# Altium PCB 水下电机驱动.PcbDoc
Units mil, origin at the board's own origin, x right, y up, seen from the top; angles counter-clockwise.
Board outline 3301.06 x 1726.25 mil, 2 copper layers (Top Layer, Bottom Layer); 60 components, 46 nets, 215 pads, 328 vias.
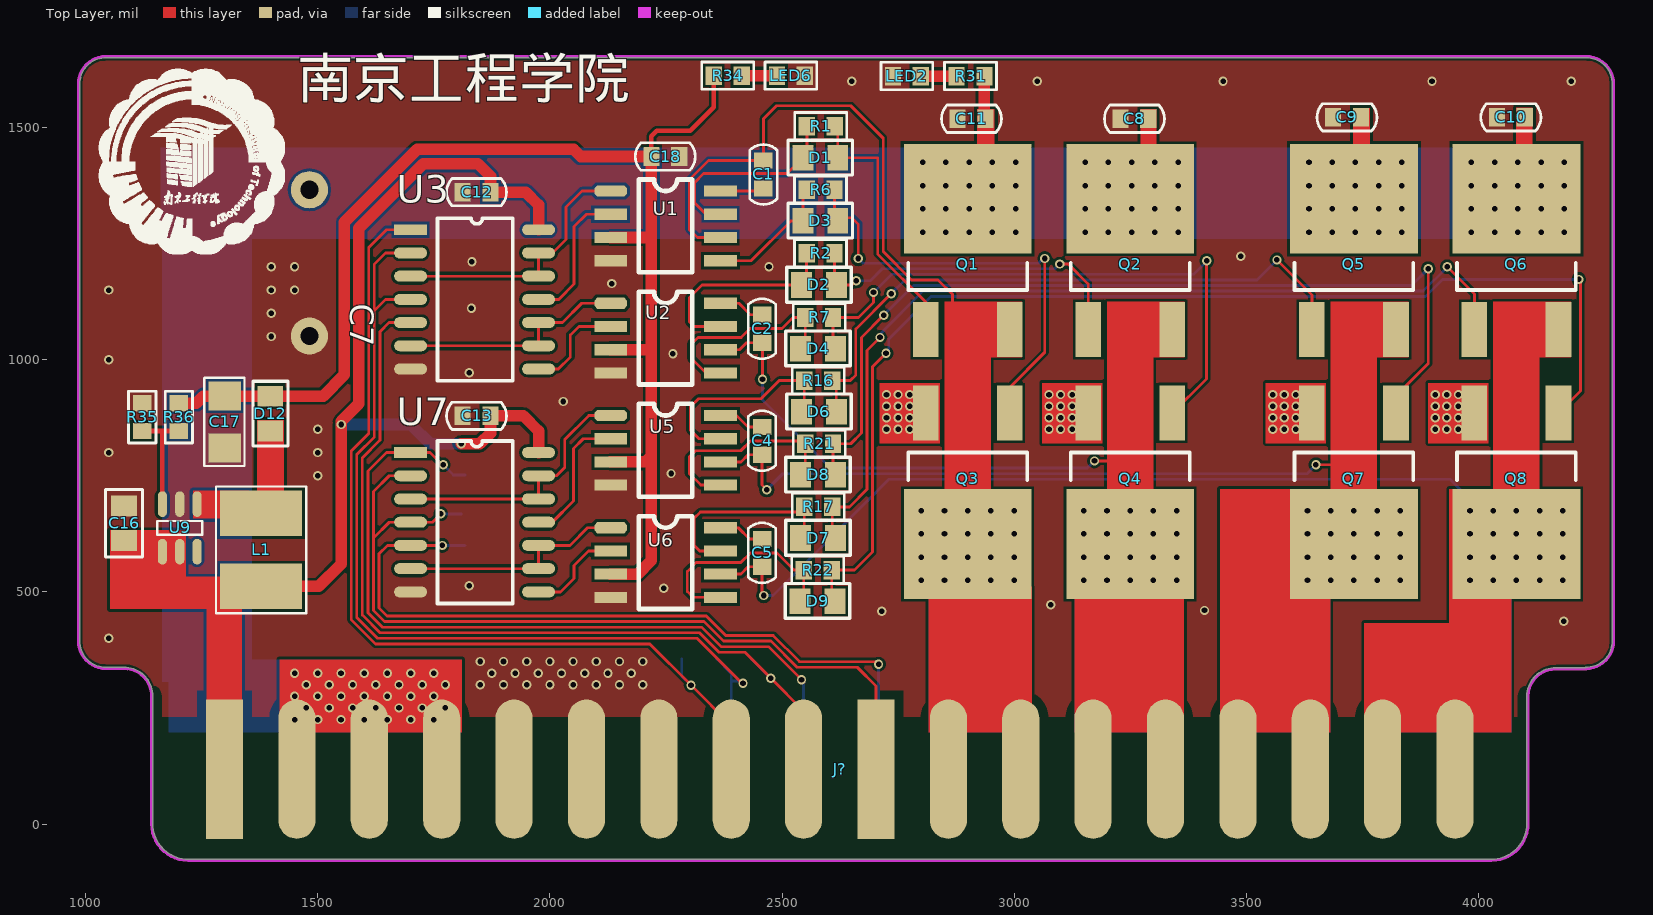
[diagram p0: Top Layer view]
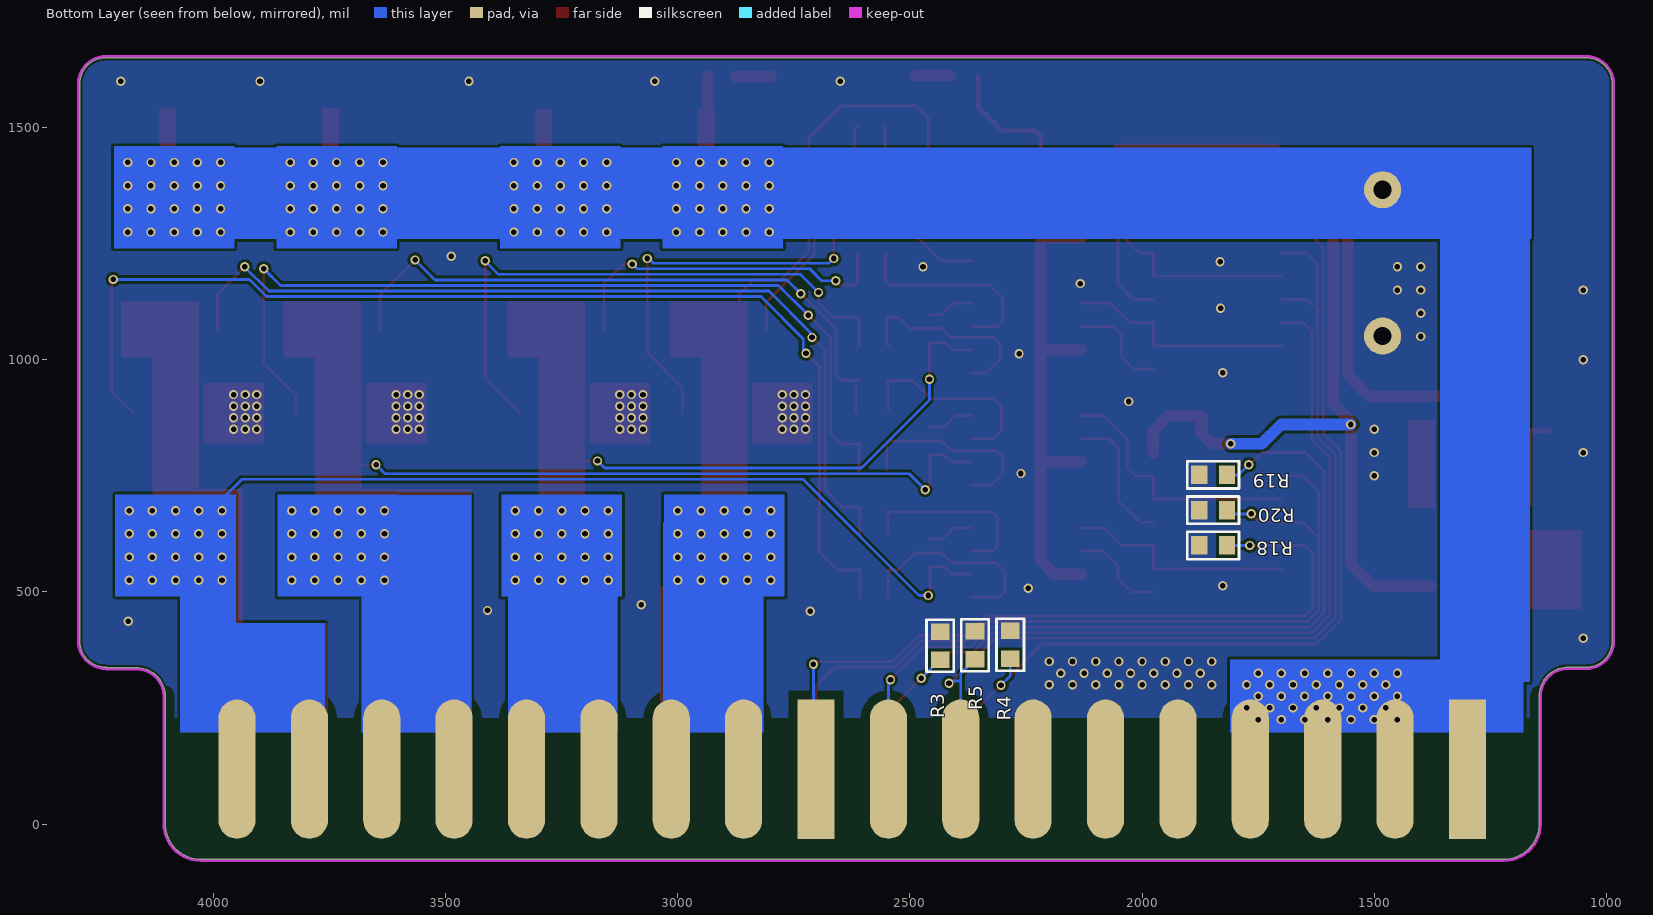
[diagram p1: Bottom Layer view, seen from below]

## Layer stack, top to bottom
Top Layer: signal copper 1.4
Dielectric: dielectric 12.6, FR-4, Dk 4.8
Bottom Layer: signal copper 1.4

## Board outline
1082.68,337.66 cw(c1082.68,275.59) 1144.75,275.59 cw(c1082.68,275.59) 1144.75,275.59 1144.75,0 ccw(c1220.47,0) 1220.47,-75.73 4028.35,-75.73 ccw(c4028.35,0) 4104.07,0 4104.07,275.59 cw(c4107.09,275.59) 4104.07,275.64 cw(c4166.13,274.53) 4166.13,336.6 cw(c4166.13,274.53) 4166.14,336.6 4229.98,336.6 cw(c4232.28,334.65) 4232.28,337.66 ccw(c4232.28,393.7) 4288.32,393.7 4288.32,1594.49 ccw(c4291.34,1594.49) 4288.32,1594.46 4288.32,1594.49 ccw(c4232.28,1594.49) 4232.28,1650.53 1043.31,1650.53 ccw(c1043.31,1653.54) 1043.33,1650.53 1043.31,1650.53 ccw(c1043.31,1594.49) 987.27,1594.49 987.27,393.7 ccw(c984.25,393.7) 987.27,393.73 987.27,393.7 ccw(c1043.31,393.7) 1043.15,337.66 cw(c1043.3,334.65) 1043.3,337.66

## Design rules (kind name [scope] priority, off if disabled: settings)
Clearance Clearance_1 [InComponent('J?')] p1: gap=20
Clearance [All] p2: gap=6
PolygonConnect PolygonConnect_1 [InNet('24V')or ViaDiameter] p1: connectstyle=Direct reliefconductorwidth=10 reliefentries=4 polygonreliefangle="90 Angle" airgapwidth=10
PolygonConnect [All] p2: connectstyle=Direct reliefconductorwidth=10 reliefentries=4 polygonreliefangle="90 Angle" airgapwidth=10
RoutingVias [All] p1: holewidth=28 width=50 viastyle="Through Hole" minholewidth=12 minwidth=20 maxholewidth=28 maxwidth=50
SolderMaskExpansion [All] p1: expansion=4
Width [All] p1: maxlimit=500 minlimit=6 preferedwidth=6 minimp=50.000000 maximp=50.000000 favimp=50.000000
28 further rules are at their usual default settings.

## Classes and differential pairs
component class MOS管电机驱动电路: C1 C2 C4 C5 C7 C8 C9 C10 C11 C12 C13 D1 D2 D3 D4 D6 D7 D8 D9 J? LED2 LED6 Q1 Q2 Q3 Q4 Q5 Q6 Q7 Q8 R1 R2 R3 R4 R5 R6 R7 R16 R17 R18 R19 R20 R21 R22 R31 R34 U1 U2 U3 U5 U6 U7
component class SX1308升压电路: C16 C17 C18 D12 L1 R35 R36 U9

## Components (designator, comment, footprint, x,y, rotation, side; value= is the part's Value field where it differs from the comment)
C1 "104" C0603 2460,1369 r90 top
C2 "104" C0603 2457,1036.67 r90 top
C4 "104" C0603 2457,855.33 r270 top
C5 "104" C0603 2457,554 r90 top
C7 "Cap1" "CAP 2200uf" 1482,1366 r270 top
C8 "104" C0603 3289,1519 r180 top
C9 "104" C0603 3746.89,1522 r180 top
C10 "104" C0603 4099.89,1522 r180 top
C11 "104" C0603 2938,1519 r180 top
C12 "104" C0603 1872,1361 r180 top
C13 "104" C0603 1872,879 r180 top
C16 "10μ" C0805 1082.68,610.24 r90 top
C17 "47uF" R1206 1299.21,866.14 r90 top
C18 "104" c0603 2278.65,1437.69 r180 top
D1 "1N4148" R0805 2620,1435 r180 top
D2 "1N4148" R0805 2617,1161 r180 top
D3 "1N4148" R0805 2620,1299 r180 top
D4 "1N4148" R0805 2615,1024 r180 top
D6 "1N4148" R0805 2617,888 r180 top
D7 "1N4148" R0805 2615,616 r180 top
D8 "1N4148" R0805 2615,752 r180 top
D9 "1N4148" R0805 2614,480 r180 top
D12 "1N4007" R0805 1397.64,846.46 r90 top
J? "805-36P" 805-36P 1141.73,-78.74 r0 top locked
L1 "Inductor" CD43 1377.95,511.81 r180 top
LED2 "LED" r0603 2799,1611 r180 top
LED6 "LED" R0603 2489,1612 r0 top
Q1 "IRF3205" DPAK 2900,1150 r0 top
Q2 "IRF3205" DPAK 3250,1150 r0 top
Q3 "IRF3205" DPAK 2900,800 r180 top
Q4 "IRF3205" DPAK 3250,800 r180 top
Q5 "IRF3205" DPAK 3731.89,1150 r0 top
Q6 "IRF3205" DPAK 4081.89,1150 r0 top
Q7 "IRF3205" DPAK 3731.89,800 r180 top
Q8 "IRF3205" DPAK 4081.89,800 r180 top
R1 "Res2" R0603 2613.5,1503 r180 top
R2 "Res2" R0603 2553,1229 r0 top
R3 "Res2" R0603 2435,354 r90 bottom
R4 "Res2" R0603 2284,356 r90 bottom
R5 "Res2" R0603 2360,355 r90 bottom
R6 "Res2" R0603 2613,1366 r180 top
R7 "Res2" R0603 2550,1091 r0 top
R16 "Res2" R0603 2608,955 r180 top
R17 "Res2" R0603 2548,683 r0 top
R18 "Res2" R0603 1817,600 r0 bottom
R19 "Res2" R0603 1817,752 r0 bottom
R20 "Res2" R0603 1817,676 r0 bottom
R21 "Res2" R0603 2610,819 r180 top
R22 "Res2" R0603 2547,547 r0 top
R31 "Res2" R0603 2936,1611 r180 top
R34 "Res2" R0603 2353,1612 r0 top
R35 "Res2" R0603 1122.05,846.46 r90 top
R36 "Res2" R0603 1200.79,846.46 r90 top
U1 "L6385D" SOIC8 2131,1363 r0 top locked
U2 "L6385D" SOIC8 2131,1121.33 r0 top locked
U3 "74HC00" SOP14-700 1700,1280 r0 top
U5 "L6385D" SOIC8 2131,879.67 r0 top locked
U6 "L6385D" SOIC8 2131,638 r0 top locked
U7 "74HC00" SOP14-700 1700,800 r0 top
U9 "SX1308" SOT-26 1240.16,688.98 r270 top

## Footprints (in the part's own frame and the unit in brackets; to place one, negate y for a bottom-side part, rotate by r counter-clockwise, add the part's x,y. Pads: shape width x height; smd on the part's side, far side on the other; paste and mask are expansions set on the pad)
805-36P [mm]
  rect 2.032x7.62 smd: A1(4,5) A10(39.64,5)
  oval 2.032x7.62 smd: A2(7.96,5) A3(11.92,5) A4(15.88,5) A5(19.84,5) A6(23.8,5) A7(27.76,5) A8(31.72,5) A9(35.68,5) A11(43.6,5) A12(47.56,5) A13(51.52,5) A14(55.48,5) A15(59.44,5) A16(63.4,5) A17(67.36,5) A18(71.32,5)
  rect 2.032x7.62 smd far side: B1(4,5) B10(39.64,5)
  oval 2.032x7.62 smd far side: B2(7.96,5) B3(11.92,5) B4(15.88,5) B5(19.84,5) B6(23.8,5) B7(27.76,5) B8(31.72,5) B9(35.68,5) B11(43.6,5) B12(47.56,5) B13(51.52,5) B14(55.48,5) B15(59.44,5) B16(63.4,5) B17(67.36,5) B18(71.32,5)
  Keep-Out Layer lines w0.152: 0,9 0,2 ccw(c2,2) 2,0 73.32,0 ccw(c73.32,2) 75.32,2 75.32,9
C0603 [mil]
  rect 35x40 smd mask+2: 1(0,0) 2(60,0)
  silkscreen extent -35,-30 95,30
c0603 [mil]
  rect 35x40 smd mask+2: 1(0,0) 2(60,0)
  silkscreen extent -35,-30 95,30
C0805 [mil]
  rect 45x55 smd: 1(0,0) 2(75,0)
  silkscreen extent -35,-40 110,40, body extent -22,-27 96,28, height 37
"CAP 2200uf" [mil]
  round 80 hole 39.37: 1(0,0) 2(314.96,0)
CD43 [mm]
  rect 4.5x2.5 smd: 1(0,0) 2(0,-4)
  silkscreen extent -2.46,-5.46 2.46,1.47
DPAK [mm]
  rect 1.4x3 smd: 1(-2.3,-2.159) 3(2.3,-2.159)
  rect 7x6 smd: 2(0,5)
  silkscreen extent -3.25,0 3.25,1.5
r0603 [mil]
  rect 35x40 smd mask+2: 1(0,0) 2(60,0)
  silkscreen extent -26,-30 86,30
R0603 [mil]
  rect 35x40 smd mask+2: 1(0,0) 2(60,0)
  silkscreen extent -26,-30 86,30
R0805 [mil]
  rect 45x55 smd: 1(0,0) 2(75,0)
  silkscreen extent -32,-38 107,37, body extent -3,-24 75,26, height 22
R1206 [mil] "R1206"
  rect 62x70 smd: 1(-56,0) 2(56,0)
  silkscreen extent -95,-43 95,44
SOIC8 [mm]
  oct 1.8x0.61 smd: 1(0,0.006)
  rect 1.8x0.61 smd: 2(0,-1.264) 3(0,-2.534) 4(0,-3.804) 5(6,-3.804) 6(6,-2.534) 7(6,-1.264) 8(6,0.006)
  silkscreen extent 1.53,-4.44 4.47,0.64
SOP14-700 [mm]
  rect 1.8x0.6 smd: 1(0,0)
  oval 1.8x0.6 smd: 2(0,-1.27) 3(0,-2.54) 4(0,-3.81) 5(0,-5.08) 6(0,-6.35) 7(0,-7.62) 8(7,-7.62) 9(7,-6.35) 10(7,-5.08) 11(7,-3.81) 12(7,-2.54) 13(7,-1.27) 14(7,0)
  silkscreen extent 1.47,-8.25 5.59,0.64
SOT-26 [mm]
  oval 1.4x0.5 smd: 1(0,0) 2(0,-0.95) 3(0,-1.9) 4(2.6,-1.9) 5(2.6,-0.95) 6(2.6,0)
  round 0.2 on Top Overlay: 9(1.125,0.075)
  silkscreen extent 0.92,-2.17 1.68,0.28

## Part data
C1 C2 C4 C5 C8 C9 C10 C11 C12 C13: library part CAP, "Capacitor"
C7: "Capacitor"
C16 C17 C18: library part CAP（0805）, "Capacitor"
D1 D2 D3 D4 D6 D7 D8 D9: library part 1N4007, "1 Amp General Purpose Rectifier"
D12: "1 Amp General Purpose Rectifier"
LED2 LED6: "Typical BLUE SiC LED"
Q1 Q2 Q3 Q4 Q5 Q6 Q7 Q8: "HEXFET Power MOSFET"
R1 R2 R3 R4 R5 R6 R7 R16 R17 R18 R19 R20 R21 R22 R31 R34 R35 R36: "Resistor"

## Via types
v1: diameter 20, hole 12, Top Layer to Bottom Layer, 328 vias

## Nets (pads, with @x,y where several pads share a name; then routed paths per layer and width w, separated by ;. In a path a pad name is that pad's centre, name@x,y a point inside that pad or via, vN(x,y) a via of type N, cw(c..) or ccw(c..) an arc to the next point about the centre after c; other vN are vias at no path point)
12V: C17.2 C18.2 D12.2 R34.1 R36.2 U1.3 U2.3 U5.3 U6.3 | length 2955.2
  Top Layer w10: C18.2 2218.65,1481.65 2230,1493 2302,1493 2353,1544 R34.1
  Top Layer w25: R36.2 1238.46,906.46 1253.46,921.46 D12.2 1511.46,921.46 1557.36,967.36 1557.36,1296.2 1714.16,1453 2051,1453 2066.31,1437.69 C18.2 2218.65,1262 ; U6.3 2189.22,538.22 2218.65,567.65 2218.65,792 ; U5.3 2206.54,779.89 2218.65,792 ; U2.3 2215.1,1021.55 2218.65,1018 ; U1.3 2217.43,1263.22 2218.65,1262 ; 2218.65,792 2218.65,1018 ; 2218.65,1018 2218.65,1262
24V: C7.1 C8.1 C9.1 C10.1 C11.1 J?.A2 J?.A3 J?.A4 J?.B1 J?.B2 J?.B3 J?.B4 Q1.2 Q2.2 Q5.2 Q6.2 R31.1 | length 146.6
  Top Layer w6: Q1.2 Q1.2@2938,1384.85
  Top Layer w25: R31.1 2936,1521 C11.1
  other v1: 1450,225 1500,225 1550,225 1600,225 1650,225 1700,225 1750,225 1475,250 1525,250 1575,250 1625,250 1675,250 1725,250 1775,250 1450,275 1500,275 1550,275 1600,275 1650,275 1700,275 1750,275 1475,300 1525,300 1575,300 1625,300 1675,300 1725,300 1775,300 1450,325 1500,325 1550,325 1600,325 1650,325 1700,325 1750,325 2803.11,1275 2853.11,1275 2903.11,1275 2953.11,1275 3003.11,1275 3153.11,1275 3203.11,1275 3253.11,1275 3303.11,1275 3353.11,1275 3635,1275 3685,1275 3735,1275 3785,1275 3835,1275 3985,1275 4035,1275 4085,1275 4135,1275 4185,1275 2803.11,1325 2853.11,1325 2903.11,1325 2953.11,1325 3003.11,1325 3153.11,1325 3203.11,1325 3253.11,1325 3303.11,1325 3353.11,1325 3635,1325 3685,1325 3735,1325 3785,1325 3835,1325 3985,1325 4035,1325 4085,1325 4135,1325 4185,1325 2803.11,1375 2853.11,1375 2903.11,1375 2953.11,1375 3003.11,1375 3153.11,1375 3203.11,1375 3253.11,1375 3303.11,1375 3353.11,1375 3635,1375 3685,1375 3735,1375 3785,1375 3835,1375 3985,1375 4035,1375 4085,1375 4135,1375 4185,1375 2803.11,1425 2853.11,1425 2903.11,1425 2953.11,1425 3003.11,1425 3153.11,1425 3203.11,1425 3253.11,1425 3303.11,1425 3353.11,1425 3635,1425 3685,1425 3735,1425 3785,1425 3835,1425 3985,1425 4035,1425 4085,1425 4135,1425 4185,1425
GND: C7.2 C8.2 C9.2 C10.2 C11.2 C12.2 C13.2 C16.2 C17.1 C18.1 J?.A5 J?.A6 J?.A7 J?.B5 J?.B6 J?.B7 LED2.2 LED6.2 Q3.3 Q4.3 Q7.3 Q8.3 R3.2 R4.2 R5.2 R18.2 R19.2 R20.2 R35.2 U1.4 U2.4 U3.7 U5.4 U6.4 U7.7 U9.2
  other v1: 1850,300 1900,300 1950,300 2000,300 2050,300 2100,300 2150,300 2200,300 1875,325 1925,325 1975,325 2025,325 2075,325 2125,325 2175,325 1850,350 1900,350 1950,350 2000,350 2050,350 2100,350 2150,350 2200,350 1050,400 4184,437 2715,458 3410,460 3079,472 2245,508 1826,513 1500,750 2261,755 1050,800 1500,800 1500,850 2725,850 2750,850 2775,850 3075,850 3100,850 3125,850 3556.89,850 3581.89,850 3606.89,850 3906.89,850 3931.89,850 3956.89,850 2725,875 2750,875 2775,875 3075,875 3100,875 3125,875 3556.89,875 3581.89,875 3606.89,875 3906.89,875 3931.89,875 3956.89,875 2725,900 2750,900 2775,900 3075,900 3100,900 3125,900 3556.89,900 3581.89,900 3606.89,900 3906.89,900 3931.89,900 3956.89,900 2029,910 2725,925 2750,925 2775,925 3075,925 3100,925 3125,925 3556.89,925 3581.89,925 3606.89,925 3906.89,925 3931.89,925 3956.89,925 1826,972 1050,1000 2265,1013 1400,1050 1400,1100 1831,1111 1050,1150 1400,1150 1450,1150 2133,1164 1400,1200 1450,1200 2472,1200 1832,1211 3488,1223 2650,1600 3050,1600 3450,1600 3900,1600 4200,1600
IN1A: J?.A8 R4.1 U3.1 | length 1995.8
  Top Layer w6: U3.1 1648,1280 1609.86,1241.86 1609.86,840.86 1572,803 1572,440.12 1624.12,388 2215,388 v1(2304,299) 2390.55,212.45 J?.A8
  Bottom Layer w6: R4.1 2284,319 v1(2304,299)
IN1B: J?.A9 R3.1 U3.5 | length 1919.2
  Top Layer w6: U3.5 1653.54,1080 1633.86,1060.31 1633.86,826.77 1596,788.91 1596,450.06 1634.06,412 2321.97,412 2363.97,370 2420,370 v1(2476,314) 2546.46,243.54 J?.A9
  Bottom Layer w6: R3.1 2475,314 v1(2476,314)
IN2A: J?.B9 R19.1 U7.1 | length 1740.1
  Top Layer w6: v1(1770,774) 1768,774 1742,800 U7.1 1648,800 1608,760 1608,455.03 1639.03,424 2326.94,424 2368.94,382 2471,382 v1(2542,311)
  Bottom Layer w6: v1(1770,774) 1792,752 R19.1 ; v1(2542,311) 2548,305 2546.46,303.46 J?.B9
IN2B: J?.B10 R18.1 U7.5 | length 1659.7
  Top Layer w6: v1(1768,600) U7.5 1650,600 1632,582 1632,464.97 1648.97,448 2336.88,448 2378.88,406 2480.94,406 2537.3,349.64 2707.64,349.64 2708,350 v1(2708,344)
  Bottom Layer w6: v1(1768,600) R18.1 ; J?.B10@2708,123.75 v1(2708,344)
NetC1_1: C1.1 U1.8 | length 95.2
  Top Layer w6: U1.8 2454.22,1363.22 C1.1
NetC2_2: C2.2 U2.8 | length 100.1
  Top Layer w6: U2.8 2407.45,1121.55 2432.33,1096.67 C2.2
NetC4_1: C4.1 U5.8 | length 100
  Top Layer w6: U5.8 2402.11,879.89 2426.67,855.33 C4.1
NetC5_2: C5.2 U6.8 | length 99.8
  Top Layer w6: U6.8 2405.78,638.22 2430,614 C5.2
NetD1_1: D1.1 Q1.1 R1.1 | length 569.5
  Top Layer w6: R1.1 2620,1496.5 D1.1 2706,1435 2706,1228 2809.45,1124.55 Q1.1
NetD1_2: D1.2 R1.2 U1.7 | length 436
  Top Layer w6: U1.7 2336.78,1313.22 2312,1338 2312,1382 2331,1401 2511,1401 D1.2 2553.5,1443.5 R1.2
NetD2_1: D2.1 Q2.1 R2.2 | length 746.6
  Top Layer w6: R2.2 2613,1165 D2.1 2651,1161 v1(2660,1170) ; v1(3098,1206) 3116.45,1206 3159.45,1163 Q2.1
  Bottom Layer w6: v1(2660,1170) 2690,1170 2716,1196 3088,1196 v1(3098,1206)
NetD2_2: D2.2 R2.1 U2.7 | length 447.9
  Top Layer w6: U2.7 2310.45,1071.55 2301,1081 2301,1134 2328,1161 D2.2 2553,1172 R2.1
NetD3_1: D3.1 Q3.1 R6.1 | length 975.2
  Top Layer w6: R6.1 D3.1@2613,1306 ; D3.1 D3.1@2613,1306 ; v1(2664,1218) 2664,1292 2650,1306 D3.1@2613,1306 ; Q3.1 2990.55,940.55 3066,1016 v1(3066,1218)
  Bottom Layer w6: v1(2664,1218) 2674,1208 3053,1208 3063,1218 v1(3066,1218)
NetD3_2: D3.2 R6.2 U1.5 | length 283.6
  Top Layer w6: U1.5 2433.22,1213.22 2519,1299 D3.2 2545,1358 R6.2
NetD4_1: D4.1 Q4.1 R7.2 | length 1296.3
  Top Layer w6: D4.1 2610,1029 R7.2 2665,1091 2697,1123 v1(2697,1145) ; Q4.1 3414,958.45 3414,1212 v1(3415,1213)
  Bottom Layer w6: v1(2697,1145) 2736,1184 3386,1184 v1(3415,1213)
NetD4_2: D4.2 R7.1 U2.5 | length 446
  Top Layer w6: U2.5 2336.45,971.55 2305,1003 2305,1034 2319,1048 2412,1048 2431,1067 2500,1067 2524,1091 R7.1 2550,1034 D4.2
NetD6_1: D6.1 Q5.1 R16.1 | length 1362.9
  Top Layer w6: R16.1 2647,955 2659,967 2659,1066 v1(2735,1142) ; D6.1 R16.1@2617,946 ; v1(3566,1215) 3641.34,1139.66 Q5.1
  Bottom Layer w6: v1(2735,1142) 2765,1172 3523,1172 v1(3566,1215)
NetD6_2: D6.2 R16.2 U5.7 | length 460.4
  Top Layer w6: U5.7 2321.11,829.89 2303,848 2303,899 2320,916 2455,916 2494,955 R16.2 2548,894 D6.2
NetD7_1: D7.1 Q6.1 R17.2 | length 1937.6
  Top Layer w6: D7.1@2608,623 R17.2 2645,683 2683,721 2683,1020 v1(2711,1048) ; v1(3933,1200) 3991.34,1141.66 Q6.1
  Bottom Layer w6: v1(2711,1048) 2711,1055 2804,1148 3881,1148 v1(3933,1200)
NetD7_2: D7.2 R17.1 U6.7 | length 413.3
  Top Layer w6: U6.7 2322.78,588.22 2311,600 2311,659 2324,672 2546,672 2548,674 D7.2@2548,624
NetD8_1: D8.1 Q7.1 R21.1 | length 1960.6
  Top Layer w6: D8.1@2610,757 R21.1 2648,819 2671,842 2671,1048 v1(2719,1096) ; Q7.1 3822.44,922.44 3892,992 v1(3892,1196)
  Bottom Layer w6: v1(2719,1096) 2783,1160 3856,1160 v1(3892,1196)
NetD8_2: D8.2 R21.2 U5.5 | length 436.6
  Top Layer w6: U5.5 2325.11,729.89 2300,755 2300,790 2314,804 2411,804 2432,825 2544,825 R21.2 D8.2@2550,762
NetD9_1: D9.1 Q8.1 R22.2 | length 2486
  Top Layer w6: D9.1@2607,487 R22.2 2656,547 2695,586 2695,985 v1(2724,1014) ; Q8.1 4220,932.56 4220,1169 v1(4216,1173)
  Bottom Layer w6: v1(2724,1014) 2730,1020 2730,1045 2821,1136 3885.97,1136 3922.97,1173 v1(4216,1173)
NetD9_2: D9.2 R22.1 U6.5 | length 461.4
  Top Layer w6: U6.5 2308.78,488.22 2296,501 2296,544 2315,563 2411,563 2432,584 2489,584 2526,547 R22.1 D9.2@2547,488
NetD12_1: D12.1 L1.2 U9.1
NetLED2_1: LED2.1 R31.2 | length 77
  Top Layer w25: LED2.1 R31.2
NetLED6_1: LED6.1 R34.2 | length 76
  Top Layer w25: R34.2 LED6.1
NetR35_1: R35.1 R36.1 U9.3 | length 232.4
  Top Layer w10: R35.1 R36.1 ; U9.3 1165.35,842.65
NetU1_1: U1.1 U3.3 U3.12 U3.13 | length 577.2
  Top Layer w6: U3.3 U3.12 U3.13 2006,1230 2035,1259 2035,1329 2069.22,1363.22 U1.1
NetU1_2: U1.2 U3.11 | length 303.9
  Top Layer w6: U3.11 2019,1130 2052,1163 2052,1287 2078.22,1313.22 U1.2
NetU2_1: U2.1 U3.6 U3.9 U3.10 | length 498.2
  Top Layer w6: U3.6 U3.9 U3.10 2027,1080 2068.55,1121.55 U2.1
NetU2_2: U2.2 U3.8 | length 220.9
  Top Layer w6: U3.8 2018,980 2044,1006 2044,1053 2062.55,1071.55 U2.2
NetU5_1: U5.1 U7.3 U7.12 U7.13 | length 569.9
  Top Layer w6: U7.3 U7.12 U7.13 2014,750 2032,768 2032,828 2083.89,879.89 U5.1
NetU5_2: U5.2 U7.11 | length 296.1
  Top Layer w6: U7.11 2005,650 2051,696 2051,809 2071.89,829.89 U5.2
NetU6_1: U6.1 U7.6 U7.9 U7.10 | length 496.8
  Top Layer w6: U7.6 U7.9 U7.10 2043,600 2081.22,638.22 U6.1
NetU6_2: U6.2 U7.8 | length 208.4
  Top Layer w6: U7.8 2023,500 2052,529 2052,557 2083.22,588.22 U6.2
OUT1A: C1.2 J?.A11 J?.A12 J?.B11 J?.B12 Q1.3 Q3.2 U1.6 | length 1342.7
  Top Layer w6: U1.6 2317.78,1263.22 2300,1281 2300,1386.97 2342.03,1429 C1.2 2460,1519 2488,1547 2648,1547 2718,1477 2718,1232.97 2778.97,1172 2836,1172 2867,1141 2867,1124 2885,1106 2949.55,1106 Q1.3
  other v1: 2800,525 2850,525 2900,525 2950,525 3000,525 2800,575 2850,575 2900,575 2950,575 3000,575 2800,625 2850,625 2900,625 2950,625 3000,625 2800,675 2850,675 2900,675 2950,675 3000,675
OUT1B: C2.1 J?.A13 J?.A14 J?.B13 J?.B14 Q2.3 Q4.2 U2.6 | length 1231.7
  Top Layer w6: U2.6 2408.55,1021.55 2423.67,1036.67 C2.1 2458,1035.67 v1(2458,958) ; v1(3173,782) 3205,782 3250,737 v1(3250,675) v1(3250,625) Q4.2
  Bottom Layer w6: v1(2458,958) 2458,913 2604.48,766.52 3157.52,766.52 v1(3173,782)
  other v1: 3150,525 3200,525 3250,525 3300,525 3350,525 3150,575 3200,575 3250,575 3300,575 3350,575 3150,625 3200,625 3300,625 3350,625 3150,675 3200,675 3300,675 3350,675
OUT2A: C4.2 J?.A15 J?.A16 J?.B15 J?.B16 Q5.3 Q7.2 U5.6 | length 1615.7
  Top Layer w6: U5.6 2411.89,779.89 2427.33,795.33 C4.2 2457,730 v1(2467,720) ; v1(3650,774) 3701,774 3731.89,743.11 v1(3731.89,675) v1(3731.89,625) Q7.2
  Bottom Layer w6: v1(2467,720) 2501.52,754.52 3630.52,754.52 v1(3650,774)
  other v1: 3631.89,525 3681.89,525 3731.89,525 3781.89,525 3831.89,525 3631.89,575 3681.89,575 3731.89,575 3781.89,575 3831.89,575 3631.89,625 3681.89,625 3781.89,625 3831.89,625 3631.89,675 3681.89,675 3781.89,675 3831.89,675
OUT2B: C5.1 J?.A17 J?.A18 J?.B17 J?.B18 Q6.3 Q8.2 U6.6 | length 1827.1
  Top Layer w6: U6.6 2411.22,538.22 2427,554 C5.1 2457,495.76 v1(2460.63,492.13)
  Bottom Layer w6: v1(2460.63,492.13) 2480.31,492.13 2730.71,742.52 3939,742.52 3981.89,699.63 v1(3981.89,675)
  other v1: 3981.89,525 4031.89,525 4081.89,525 4131.89,525 4181.89,525 3981.89,575 4031.89,575 4081.89,575 4131.89,575 4181.89,575 3981.89,625 4031.89,625 4081.89,625 4131.89,625 4181.89,625 4031.89,675 4081.89,675 4131.89,675 4181.89,675
SD1: J?.B8 R5.1 U3.2 U3.4 | length 2120.1
  Top Layer w6: U3.4 1646,1130 1621.86,1105.86 ; U3.2 1646,1230 1621.86,1205.86 1621.86,1105.86 ; v1@2415,302 2317,400 1629.09,400 1584,445.09 1584,796 1621.86,833.86 1621.86,1105.86
  Bottom Layer w6: R5.1 2390.55,324.45 2390.55,308 ; J?.B8 2390.55,308 ; v1(2416,303) 2411,308 2390.55,308
SD2: J?.A10 R20.1 U7.2 U7.4 | length 1889.6
  Top Layer w6: U7.2 1654,750 1620,716 1620,616 ; v1(1765,668) 1747,650 U7.4 1654,650 1620,616 ; J?.A10 2702.36,297.28 2662,337.64 2532.33,337.64 2475.97,394 2373.91,394 2331.91,436 1644,436 1620,460 1620,616
  Bottom Layer w6: v1(1765,668) R20.1@1809,668
VCC: C12.1 C13.1 C16.1 J?.A1 L1.1 U3.14 U7.14 U9.4 U9.5 | length 2028.2
  Top Layer w25: L1.1 1502.19,511.81 1550.5,560.12 v1(1550.5,860.5) ; v1@1550.5,867.14 1588.36,905 1588.36,1283.36 1727,1422 1845,1422 1872,1395 C12.1 1948,1361 1975.59,1333.41 U3.14 ; v1(1809,819) 1849,819 1872,842 C13.1 1943,879 1975.59,846.41 U7.14
  Bottom Layer w25: v1(1550.5,860.5) 1700.5,860.5 1742,819 v1(1809,819)
pads on no net: U9.6 U9.9

## Polygon pours and split planes (outlines as drawn)
GND on Top Layer "Top Layer-No Net" (solid, remove dead copper, pour order 2): 4300,231 950,231 950,1750 1000,1701 4300,1701
GND on Bottom Layer "Top Layer-No Net" (solid, remove dead copper, pour order 4): 950,229 950,1700 4300,1700 4300,229

## Keep-outs
Keep-Out Layer:
  lines w6: 1141.73,275.59 ccw(c1082.68,275.59) 1082.68,334.65 1043.3,334.65 cw(c1043.31,393.7) 984.25,393.7 984.25,1594.49 cw(c1043.31,1594.49) 1043.31,1653.54 4094.49,1653.54 4232.28,1653.54 cw(c4232.28,1594.49) 4291.34,1594.49 4291.34,393.7 cw(c4232.28,393.7) 4232.28,334.65 ; 4107.09,275.59 cw(c4166.13,274.53) 4166.14,333.58 4232.28,333.58

## Other copper
Top Layer:
  rectangle net 24V: 1417.32,196.85 1811.02,354.33
  rectangle net NetD12_1: 1369,681 1427,870
  rectangle net NetD12_1: 1231,658 1352,718
  rectangle net VCC: 1260,172 1337,519
  rectangle net VCC: 1149,463 1343,533
  rectangle net VCC: 1052,463 1216,633
  rectangle net 24V: 4081,1436 4117,1543
  rectangle net 24V: 3730,1447 3766,1542
  rectangle net 24V: 3272,1452 3307,1540
  rectangle net 24V: 2920,1453 2958,1540
  rectangle net GND: 3891.89,820 4021.89,950
  rectangle net GND: 3060,820 3190,950
  rectangle net GND: 3541.89,820 3671.89,950
  rectangle net GND: 2710,820 2840,950
  rectangle net OUT2B: 4031.89,1005 4198.89,1125
  rectangle net OUT2B: 4031.89,705 4131.89,1005
  rectangle net OUT2A: 3681.89,1005 3848.89,1125
  rectangle net OUT2A: 3681.89,705 3781.89,1005
  rectangle net OUT1B: 3200,1005 3367,1125
  rectangle net OUT1B: 3200,705 3300,1005
  rectangle net OUT1A: 2850,705 2950,1005
  rectangle net OUT2B: 3754,196.85 4071,433.07
  rectangle net OUT2B: 3937.01,408 4071,722
  rectangle net OUT2A: 3443,196.85 3681.1,722
  rectangle net OUT1B: 3129.92,196.85 3366.14,492.13
  rectangle net OUT1A: 2814.96,196.85 3038,511.81
  rectangle net OUT1A: 2850,1005 3017,1125
Bottom Layer:
  rectangle net 24V: 1165,306 1358.27,1456.69
  rectangle net 24V: 1161.42,1259.84 4212.6,1456.69
  rectangle net 24V: 1178,196.85 1811.02,354.33
  rectangle net OUT2B: 3951.89,399 4072,710
  rectangle net OUT2B: 3759.84,196.85 4072,433.07
  rectangle net OUT2A: 3444.88,196.85 3681.1,708.66
  rectangle net OUT1B: 3129.92,196.85 3366.14,511.81
  rectangle net OUT1A: 2814.96,196.85 3031.5,649.61
  rectangle net 24V: 2773.11,1240 3033.11,1460
  rectangle net 24V: 3123.11,1240 3383.11,1460
  rectangle net 24V: 3605,1240 3865,1460
  rectangle net 24V: 3955,1240 4215,1460
  rectangle net OUT2B: 3951.89,490 4211.89,710
  rectangle net OUT2A: 3601.89,490 3861.89,710
  rectangle net OUT1B: 3120,490 3380,710
  rectangle net OUT1A: 2770,490 3030,710

## Silkscreen, mask and mechanical layers (free items; w line width, h text height)
Top Overlay:
  drawing of 2640 lines, arcs and shapes, not listed
  text "南京工程学院" at 1456.69,1535.43 h150
  text "南京工程学院" at 55314.96,-5118.11 h200
  text "南京工程学院" at 56771.65,-5118.11 h200
Top Solder:
  rectangle: 4041.89,1015 4196.89,1115
  rectangle: 4041.89,670 4121.89,1115
  rectangle: 3691.89,1015 3846.89,1115
  rectangle: 3691.89,670 3771.89,1115
  rectangle: 3210,670 3290,1115
  rectangle: 3210,1015 3365,1115
  rectangle: 2860,705 2940,1115
  rectangle: 2860,1015 3010,1115

## Text inside footprints (layer, text, board x,y; h text height)
C1: Mechanical 7 "1" at 2471.81,1394.69 h19.68 r90
C2: Mechanical 7 "1" at 2468.81,1062.36 h19.68 r90
C4: Mechanical 7 "1" at 2445.19,829.64 h19.68 r270
C5: Mechanical 7 "1" at 2468.81,579.69 h19.68 r90
C8: Mechanical 7 "1" at 3263.31,1530.81 h19.68 r180
C9: Mechanical 7 "1" at 3721.2,1533.81 h19.68 r180
C10: Mechanical 7 "1" at 4074.2,1533.81 h19.68 r180
C11: Mechanical 7 "1" at 2912.31,1530.81 h19.68 r180
C12: Mechanical 7 "1" at 1846.31,1372.81 h19.68 r180
C13: Mechanical 7 "1" at 1846.31,890.81 h19.68 r180
C18: Mechanical 7 "1" at 2252.96,1449.5 h19.68 r180
LED2: Mechanical 7 "1" at 2773,1621 h19.68 r180
LED6: Mechanical 7 "1" at 2515,1602 h19.68
R1: Mechanical 7 "1" at 2587.5,1513 h19.68 r180
R2: Mechanical 7 "1" at 2579,1219 h19.68
R3: Mechanical 7 "1" at 2425,380 h19.68 r270
R4: Mechanical 7 "1" at 2274,382 h19.68 r270
R5: Mechanical 7 "1" at 2350,381 h19.68 r270
R6: Mechanical 7 "1" at 2587,1376 h19.68 r180
R7: Mechanical 7 "1" at 2538,1091 h19.68
R16: Mechanical 7 "1" at 2582,965 h19.68 r180
R17: Mechanical 7 "1" at 2574,673 h19.68
R18: Mechanical 7 "1" at 1843,610 h19.68 r180
R19: Mechanical 7 "1" at 1843,762 h19.68 r180
R20: Mechanical 7 "1" at 1843,686 h19.68 r180
R21: Mechanical 7 "1" at 2584,829 h19.68 r180
R22: Mechanical 7 "1" at 2573,537 h19.68
R31: Mechanical 7 "1" at 2910,1621 h19.68 r180
R34: Mechanical 7 "1" at 2379,1602 h19.68
R35: Mechanical 7 "1" at 1132.05,872.46 h19.68 r90
R36: Mechanical 7 "1" at 1210.79,872.46 h19.68 r90